# KiCad board Mynd_Main.kicad_pcb (continued)
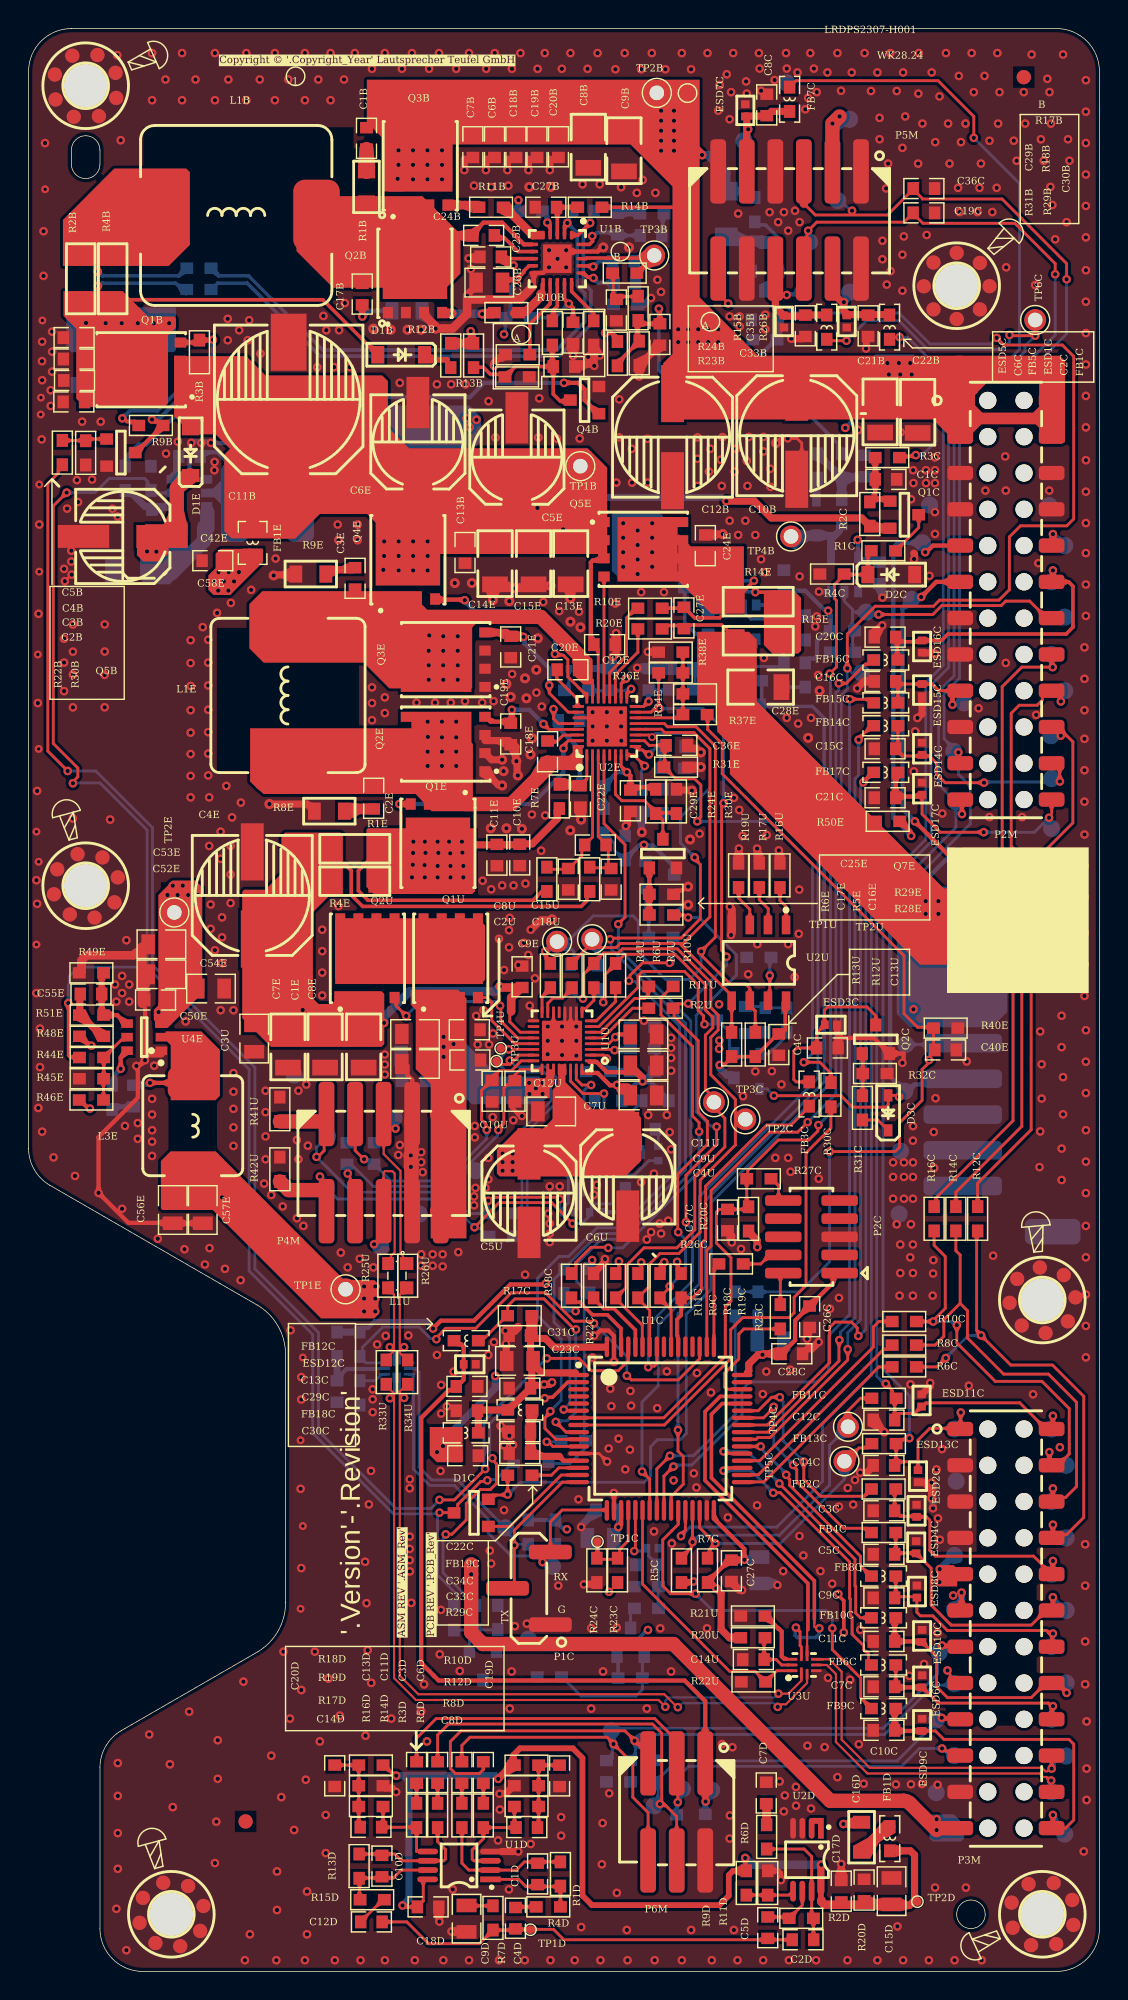
[diagram p0: board, top side]
## Placement (name value [footprint] x y rotation side) (continued)
TP4B  -  [TP_T_60_40]  53.4 100.45 0 top
TP4C  -  [TP_T_60_40]  57.39 38.13 90 top
TP4M  TP12  [TP120]  61.37 61.62 90 bottom
TP4U  TP06  [TP060]  33.07 64.62 90 top
TP5C  -  [TP_T_60_40]  57.14 35.72 90 top
TP5M  TP12  [TP120]  61.07 57.42 0 bottom
TP6C  -  [TP_T_60_40]  70.5 115.6 0 top
TP6M  TP12  [TP120]  60.97 53.02 0 bottom
TP7C  TP12  [TP120]  36.7 28.35 90 bottom
TP7M  TP12  [TP120]  64.85 37.97 90 bottom
TP8C  TP12  [TP120]  33.4 31.05 90 bottom
TP8M  TP12  [TP120]  71.65 37.97 90 bottom
TP9C  TP12  [TP120]  35 23.25 90 bottom
TP9M  TP12  [TP120]  64.97 34.32 90 bottom
TP10M  TP12  [TP120]  72.67 35.43 90 bottom
TP11M  TP12  [TP120]  71.65 32.89 90 bottom
TP12M  TP12  [TP120]  72.67 30.35 90 bottom
TP13M  TP12  [TP120]  59.5 112.5 90 bottom
TP14M  TP12  [TP120]  61.46 111.28 90 bottom
TP15M  TP12  [TP120]  64.85 29.12 90 bottom
TP16M  TP12  [TP120]  71.65 27.81 90 bottom
TP17M  TP12  [TP120]  64.85 25.32 90 bottom
TP18M  TP12  [TP120]  72.67 25.27 90 bottom
TP19M  TP12  [TP120]  63.11 102.64 90 bottom
TP20M  TP12  [TP120]  71.47 102.6 90 bottom
TP21M  TP12  [TP120]  63.77 22.32 90 bottom
TP22M  TP12  [TP120]  71.65 22.73 90 bottom
TP23M  TP12  [TP120]  64.85 20.14 90 bottom
TP24M  TP12  [TP120]  72.67 20.19 90 bottom
TP25M  TP12  [TP120]  62.6 100 90 bottom
TP26M  TP12  [TP120]  72.57 99.81 90 bottom
TP27M  TP12  [TP120]  63.57 17.6 90 bottom
TP28M  TP12  [TP120]  71.65 17.65 90 bottom
TP29M  TP12  [TP120]  61.84 96.04 90 bottom
TP30M  TP12  [TP120]  71.65 97.27 90 bottom
TP31M  TP12  [TP120]  64.85 15.11 90 bottom
TP32M  TP12  [TP120]  72.67 15.07 90 bottom
TP33M  TP12  [TP120]  72.57 94.8 90 bottom
TP34M  TP12  [TP120]  58.66 95.15 90 bottom
TP35M  TP12  [TP120]  63.57 12.52 90 bottom
TP36M  TP12  [TP120]  71.65 12.57 90 bottom
TP37M  TP12  [TP120]  71.65 92.19 90 bottom
TP38M  TP12  [TP120]  64.95 9.88 90 bottom
TP39M  TP12  [TP120]  72.57 9.62 90 bottom
TP40M  TP12  [TP120]  65.52 88.8 90 bottom
TP41M  TP12  [TP120]  72.57 89.65 90 bottom
TP42M  TP12  [TP120]  71.59 86.5 90 bottom
TP43M  TP12  [TP120]  64.8 85.4 90 bottom
TP44M  TP12  [TP120]  71.65 83.5 90 bottom
TP45M  TP12  [TP120]  64.95 81.88 90 bottom
TP46M  TP12  [TP120]  71.65 80 90 bottom
TP47M  TP12  [TP120]  57.5 129.65 90 bottom
TP48M  TP12  [TP120]  30.17 64.12 90 bottom
TP49M  TP12  [TP120]  30.77 61.82 90 bottom
TP50M  TP12  [TP120]  57.5 117.55 90 bottom
TP51M  TP12  [TP120]  18.6 62.75 90 bottom
TP52M  TP12  [TP120]  27.37 53.02 90 bottom
TP53M  TP12  [TP120]  56.67 123.96 90 bottom
TP54M  TP12  [TP120]  25.6 59.75 90 bottom
TP55M  TP12  [TP120]  24.67 50.72 90 bottom
TP56M  TP12  [TP120]  54.7 121.05 90 bottom
TP57M  TP12  [TP120]  28.9 55.95 90 bottom
TP58M  TP12  [TP120]  31.3 56.05 90 bottom
TP59M  TP12  [TP120]  53.1 132.2 90 bottom
TP60M  TP12  [TP120]  20.87 54.83 90 bottom
TP61M  TP12  [TP120]  54.2 117.55 90 bottom
TP62M  TP12  [TP120]  47.84 12.69 90 bottom
TP63M  TP12  [TP120]  50.1 128.15 90 bottom
TP64M  TP12  [TP120]  45.79 12.77 90 bottom
TP65M  TP12  [TP120]  43.82 11.59 90 bottom
TP66M  TP12  [TP120]  42.97 16.12 90 bottom
TP67M  TP12  [TP120]  40.82 16.84 90 bottom
TP68M  TP12  [TP120]  58.34 90.89 90 bottom
TP69M  TP12  [TP120]  20.93 58.45 90 bottom
U1B  LM51231QRGRRQ1  [QFN20_350X350X100_50_P200X200]  37.03 119.89 270 top
U1C  STM32F072RBT6  [LQFP64_1000X1000X160_50]  44.25 38 0 top
U1D  SGM358YMS  [VSSOP8]  30.15 7.42 180 top
U1E  INA181A1IDBVR  [SOT23_6_SC74]  50 94.45 90 bottom
U1U  PTPS25751SRSMR  [QFN32_400X400X80_40_P280X280_A]  37.36 65.14 180 top
U2B  SGM7SZ14YN5G/TR  [SOT23-5]  57.15 97.78 90 bottom
U2D  SGM358YMS  [VSSOP8]  54.52 7.82 270 top
U2E  BQ25713RSNR  [QFN32_400X400X80_40_P280X280_A]  40.5 87.15 90 top
U2U  FT24C512A-TSR-T  [SO-8]  51.15 70.6 270 top
U3E  TPS562201DDCR  [SOT23_6_SC74]  11.27 103.49 180 bottom
U3U  SGM7227YUWQ10G  [QFN10_180X140X60_40]  54.32 21.45 90 top
U4E  TPS54302DDCR  [SOT23_6_SC74]  8.1 65.4 180 top
U4U  SGM7227YUWQ10G  [QFN10_180X140X60_40#2]  25.8 42.2 270 bottom

## Footprints (pads in the part's own frame, mm; a bottom-side part is the same pattern mirrored in y, then rotated)
C0402
  rect 0.5x0.5 smd: 1(-0.5,0) 2(0.5,0)
C0603X80
  rect 0.8x0.9 smd: 1(-0.745,0) 2(0.755,0)
C0603X100
  rect 0.8x0.9 smd: 1(-0.745,0) 2(0.755,0)
C0603X105
  rect 0.8x0.9 smd: 1(-0.745,0) 2(0.755,0)
C0805_145
  rect 0.95x1.4 smd: 1(-0.925,0) 2(0.925,0)
C1206
  rect 1.1x1.8 smd: 1(-1.45,0) 2(1.45,0)
CET2012D
  rect 0.9x0.45 smd: 1(-0.85,0.425) 2(-0.85,-0.425) 3(0.85,-0.425) 4(0.85,0.425)
CON_250_SMD_H_8P
  rrect 1.8x3.9 smd: 0(-11.95,1.55) 0(11.95,1.55)
  rrect 1.3x5.5 smd: 1(-8.75,-4.75) 2(-6.25,-4.75) 3(-3.75,-4.75) 4(-1.25,-4.75) 5(1.25,-4.75) 6(3.75,-4.75) 7(6.25,-4.75) 8(8.75,-4.75)
DFN2_100X60X50_65
  rect 0.55x0.6 smd: 1(-0.425,0) 2(0.425,0)
DFN8_500X600X100_127_A
  rect 0.8x0.7 smd: 1(-2.75,1.905) 2(-2.75,0.635) 3(-2.75,-0.635) 4(-2.75,-1.905) 5(2.75,-1.905) 6(2.75,-0.635) 7(2.75,0.635) 8(2.75,1.905)
  rect 4.2x4.51 smd: 8(0.3,0)
DFN8_500X600X100_127_A#3
  rect 0.8x0.7 smd: 1(-2.75,1.905) 2(-2.75,0.635) 3(-2.75,-0.635) 4(-2.75,-1.905) 5(2.75,-1.905) 6(2.75,-0.635) 7(2.75,0.635) 8(2.75,1.905)
  rect 4x4.5 smd: 8(0.3,0)
DFN8_500X600X100_127_A#2
  rect 0.8x0.7 smd: 1(-2.75,1.905) 2(-2.75,0.635) 3(-2.75,-0.635) 4(-2.75,-1.905) 5(2.75,-1.905) 6(2.75,-0.635) 7(2.75,0.635) 8(2.75,1.905)
  rect 4.2x4.51 smd: 8(0.3,0)
E_CAP_SMD_10%2A10.2
  rect 4x2.5 smd: 1(-4,0) 2(4,0)
ECAP_SMD_630X540
  rect 3.6x1.6 smd: 1(-2.75,0) 2(2.75,0)
ECAP_SMD_800X1000
  rect 4x1.6 smd: 1(-3.05,0) 2(3.05,0)
Female_SMD_Bottom_2X12_254
  round 1.2 hole 1.2 unplated: (-13.97,1.27) (-13.97,-1.27) (-11.43,1.27) (-11.43,-1.27) (-8.89,1.27) (-8.89,-1.27) (-6.35,1.27) (-6.35,-1.27) (-3.81,1.27) (-3.81,-1.27) (-1.27,1.27) (-1.27,-1.27) (1.27,1.27) (1.27,-1.27) (3.81,1.27) (3.81,-1.27) (6.35,1.27) (6.35,-1.27) (8.89,1.27) (8.89,-1.27) (11.43,1.27) (11.43,-1.27) (13.97,1.27) (13.97,-1.27)
  rrect 1x1.8 smd: 1(-13.97,-3.2) 2(-13.97,3.2) 3(-11.43,-3.2) 4(-11.43,3.2) 5(-8.89,-3.2) 6(-8.89,3.2) 7(-6.35,-3.2) 8(-6.35,3.2) 9(-3.81,-3.2) 10(-3.81,3.2) 11(-1.27,-3.2) 12(-1.27,3.2) 13(1.27,-3.2) 14(1.27,3.2) 15(3.81,-3.2) 16(3.81,3.2) 17(6.35,-3.2) 18(6.35,3.2) 19(8.89,-3.2) 20(8.89,3.2) 21(11.43,-3.2) 22(11.43,3.2) 23(13.97,-3.2) 24(13.97,3.2)
Female_SMD_Bottom_2X12_254#2
  round 1.2 hole 1.2 unplated: (-13.97,1.27) (-13.97,-1.27) (-11.43,1.27) (-11.43,-1.27) (-8.89,1.27) (-8.89,-1.27) (-6.35,1.27) (-6.35,-1.27) (-3.81,1.27) (-3.81,-1.27) (-1.27,1.27) (-1.27,-1.27) (1.27,1.27) (1.27,-1.27) (3.81,1.27) (3.81,-1.27) (6.35,1.27) (6.35,-1.27) (8.89,1.27) (8.89,-1.27) (11.43,1.27) (11.43,-1.27) (13.97,1.27) (13.97,-1.27)
  rrect 1x1.8 smd: 1(-13.97,-3.2) 2(-13.97,3.2) 3(-11.43,-3.2) 4(-11.43,3.2) 5(-8.89,-3.2) 6(-8.89,3.2) 7(-6.35,-3.2) 8(-6.35,3.2) 9(-3.81,-3.2) 10(-3.81,3.2) 11(-1.27,-3.2) 12(-1.27,3.2) 13(1.27,-3.2) 14(1.27,3.2) 15(3.81,-3.2) 16(3.81,3.2) 17(6.35,-3.2) 18(6.35,3.2) 19(8.89,-3.2) 20(8.89,3.2) 21(11.43,-3.2) 22(11.43,3.2) 23(13.97,-3.2) 24(13.97,3.2)
IND_SMD_SQU_L60XW60XH20
  rrect 1.9x5.5 smd: 1(-2.3,0) 2(2.3,0)
IND_SMD_YT_SQU_L78XW70XH30
  rrect 2.2x3.5 smd: 1(-3,0) 2(3,0)
IND_SMD_YT_SQU_L118XW108XH40_A
  rrect 4.3x5 smd: 1(-4.65,0) 2(4.65,0)
IND_SMD_YT_SQU_L135XW126XH57
  rrect 3.25x5 smd: 1(-5.625,0) 2(5.625,0)
L0603
  rect 0.9x0.8 smd: 1(-0.85,0) 2(0.85,0)
L0805
  rect 0.8x1.4 smd: 1(-0.8,0) 2(0.8,0)
LQFP64_1000X1000X160_50
  oval 1.45x0.3 smd: 1(-5.725,3.75) 2(-5.725,3.25) 3(-5.725,2.75) 4(-5.725,2.25) 5(-5.725,1.75) 6(-5.725,1.25) 7(-5.725,0.75) 8(-5.725,0.25) 9(-5.725,-0.25) 10(-5.725,-0.75) 11(-5.725,-1.25) 12(-5.725,-1.75) 13(-5.725,-2.25) 14(-5.725,-2.75) 15(-5.725,-3.25) 16(-5.725,-3.75) 33(5.725,-3.75) 34(5.725,-3.25) 35(5.725,-2.75) 36(5.725,-2.25) 37(5.725,-1.75) 38(5.725,-1.25) 39(5.725,-0.75) 40(5.725,-0.25) 41(5.725,0.25) 42(5.725,0.75) 43(5.725,1.25) 44(5.725,1.75) 45(5.725,2.25) 46(5.725,2.75) 47(5.725,3.25) 48(5.725,3.75)
  oval 0.3x1.45 smd: 17(-3.75,-5.725) 18(-3.25,-5.725) 19(-2.75,-5.725) 20(-2.25,-5.725) 21(-1.75,-5.725) 22(-1.25,-5.725) 23(-0.75,-5.725) 24(-0.25,-5.725) 25(0.25,-5.725) 26(0.75,-5.725) 27(1.25,-5.725) 28(1.75,-5.725) 29(2.25,-5.725) 30(2.75,-5.725) 31(3.25,-5.725) 32(3.75,-5.725) 49(3.75,5.725) 50(3.25,5.725) 51(2.75,5.725) 52(2.25,5.725) 53(1.75,5.725) 54(1.25,5.725) 55(0.75,5.725) 56(0.25,5.725) 57(-0.25,5.725) 58(-0.75,5.725) 59(-1.25,5.725) 60(-1.75,5.725) 61(-2.25,5.725) 62(-2.75,5.725) 63(-3.25,5.725) 64(-3.75,5.725)
MARK
  round 1 smd: MKT(0,0)
  round 1 smd far side: MK_B(0,0)
Pin_Header_2x5_127
  rrect 2.55x0.74 smd: 1(-1.975,2.54) 2(1.975,2.54) 3(-1.975,1.27) 4(1.975,1.27) 5(-1.975,0) 6(1.975,0) 7(-1.975,-1.27) 8(1.975,-1.27) 9(-1.975,-2.54) 10(1.975,-2.54)
Pin_Header_SMD_S_T_254_3P
  rrect 1.02x3 smd: 1(-2.54,-1.5) 2(0,1.5) 3(2.54,-1.5)
QFN10_180X140X60_40
  rrect 0.85x0.2 smd: 1(-0.6,0.2)
  rrect 0.75x0.2 smd: 2(-0.65,-0.2) 6(0.65,-0.2) 7(0.65,0.2)
  rrect 0.2x0.75 smd: 3(-0.4,-0.85) 4(0,-0.85) 5(0.4,-0.85) 8(0.4,0.85) 9(0,0.85) 10(-0.4,0.85)
QFN10_180X140X60_40#2
  rrect 0.85x0.2 smd: 1(-0.6,0.2)
  rrect 0.75x0.2 smd: 2(-0.65,-0.2) 6(0.65,-0.2) 7(0.65,0.2)
  rrect 0.2x0.75 smd: 3(-0.4,-0.85) 4(0,-0.85) 5(0.4,-0.85) 8(0.4,0.85) 9(0,0.85) 10(-0.4,0.85)
QFN20_350X350X100_50_P200X200
  rect 2x2 smd: 0(0,0)
  rrect 0.6x0.24 smd: 1(-1.65,1) 2(-1.65,0.5) 3(-1.65,0) 4(-1.65,-0.5) 5(-1.65,-1) 11(1.65,-1) 12(1.65,-0.5) 13(1.65,0) 14(1.65,0.5) 15(1.65,1)
  rrect 0.24x0.6 smd: 6(-1,-1.65) 7(-0.5,-1.65) 8(0,-1.65) 9(0.5,-1.65) 10(1,-1.65) 16(1,1.65) 17(0.5,1.65) 18(0,1.65) 19(-0.5,1.65) 20(-1,1.65)
QFN32_400X400X80_40_P280X280_A
  rect 2.8x2.8 smd: 0(0,0)
  rrect 0.8x0.2 smd: 1(-2,1.4) 2(-2,1) 3(-2,0.6) 4(-2,0.2) 5(-2,-0.2) 6(-2,-0.6) 7(-2,-1) 8(-2,-1.4) 17(2,-1.4) 18(2,-1) 19(2,-0.6) 20(2,-0.2) 21(2,0.2) 22(2,0.6) 23(2,1) 24(2,1.4)
  rrect 0.2x0.8 smd: 9(-1.4,-2) 10(-1,-2) 11(-0.6,-2) 12(-0.2,-2) 13(0.2,-2) 14(0.6,-2) 15(1,-2) 16(1.4,-2) 25(1.4,2) 26(1,2) 27(0.6,2) 28(0.2,2) 29(-0.2,2) 30(-0.6,2) 31(-1,2) 32(-1.4,2)
R0402
  rect 0.5x0.6 smd: 1(-0.5,0) 2(0.5,0)
R0603
  rect 0.9x0.8 smd: 1(-0.85,0) 2(0.85,0)
R0603#2
  rect 0.9x0.8 smd: 1(-0.85,0) 2(0.85,0)
R0603#3
  rect 0.9x0.8 smd: 1(-0.85,0) 2(0.85,0)
R0805
  rect 0.9x1.2 smd: 1(-1.05,0) 2(1.05,0)
R1206
  rect 1.3x1.6 smd: 1(-1.6,0) 2(1.6,0)
SCREW_D30
  round 1 smd: 1(-2.297,-0.042) 1(-1.626,1.626) 1(-1.624,-1.657) 1(0,2.3) 1(0.003,-2.331) 1(1.629,1.596) 1(1.629,-1.657) 1(2.303,-0.031)
  round 1 smd far side: 1(-2.297,-0.042) 1(-1.626,1.626) 1(-1.624,-1.657) 1(0,2.3) 1(0.003,-2.331) 1(1.629,1.596) 1(1.629,-1.657) 1(2.303,-0.031)
  round 3 hole 3.2: 1(0,0)
SO-8
  rect 1.3x0.6 smd: 1(-2.65,1.905) 2(-2.65,0.635) 3(-2.65,-0.635) 4(-2.65,-1.905) 5(2.65,-1.905) 6(2.65,-0.635) 7(2.65,0.635) 8(2.65,1.905)
SOD-123
  rect 0.91x1.22 smd: A(1.635,0) K(-1.635,0)
SOD-323
  rect 0.85x0.6 smd: A(1.225,0) K(-1.225,0)
SOT23-5
  rect 0.8x0.55 smd: 1(-1.2,0.95) 2(-1.2,0) 3(-1.2,-0.95) 4(1.2,-0.95) 5(1.2,0.95)
SOT23-123
  rect 0.8x0.9 smd: 1(-0.95,-1) 2(0.95,-1) 3(0,1.4)
SOT23-GSD
  rect 0.8x0.9 smd: D(0,1) G(-0.95,-1) S(0.95,-1)
SOT23-GSD#2
  rect 0.8x0.9 smd: D(0,1) G(-0.95,-1) S(0.95,-1)
SOT23_6_SC74
  rect 0.8x0.6 smd: 1(-1.2,0.95) 2(-1.2,0) 3(-1.2,-0.95) 4(1.2,-0.95) 5(1.2,0) 6(1.2,0.95)
SOT23_16_GSD
  rect 0.8x1 smd: D(0,1.3) G(-0.95,-1.3) S(0.95,-1.3)
TP060
  round 0.6 smd: 1(0,0)
TP120
  round 1.2 smd: 1(0,0)
TP_T_60_40
  round 1.524 hole 1.016: 1(0,0)
VSSOP8
  rect 1.45x0.4 smd: 1(-2.2,0.975)
  oval 1.45x0.4 smd: 2(-2.2,0.325) 3(-2.2,-0.325) 4(-2.2,-0.975) 5(2.2,-0.975) 6(2.2,-0.325) 7(2.2,0.325) 8(2.2,0.975)
WB200AL_2x3P
  rrect 1.1x4.5 smd: 1(-2,-3.4) 2(-2,3.4) 3(0,-3.4) 4(0,3.4) 5(2,-3.4) 6(2,3.4)
WB200AL_2x5P
  rrect 1.1x4.5 smd: 1(-4,-3.4) 2(-4,3.4) 3(-2,-3.4) 4(-2,3.4) 5(0,-3.4) 6(0,3.4) 7(2,-3.4) 8(2,3.4) 9(4,-3.4) 10(4,3.4)
WB200AL_2x6P
  rrect 1.1x4.5 smd: 1(-5,-3.4) 2(-5,3.4) 3(-3,-3.4) 4(-3,3.4) 5(-1,-3.4) 6(-1,3.4) 7(1,-3.4) 8(1,3.4) 9(3,-3.4) 10(3,3.4) 11(5,-3.4) 12(5,3.4)

## Nets
3V3_ADet: C15D.2 C16D.1 C17D.1 C18D.1 FB1D.2 R9D.1 R10D.1 R18D.1 TP2D.1 U1D.8 U2D.8
3V3_MCU: C22C.1 C23C.1 C24C.1 C25C.1 C26C.1 C27C.1 C28C.1 C29C.1 C31C.1 C32C.1 C35C.2 FB18C.2 FB19C.2 P2C.1 R5C.1 R7C.1 R9C.1 R11C.1 R15C.1 R17C.1 R18C.1 R19C.1 R20C.2 R20U.1 R23C.1 R33C.1 R34C.1 R35E.2 U1C.1 U1C.19 U1C.32 U1C.48 U1C.64
3V3_STB: C4U.2 C26E.2 C30C.1 C34B.2 C45E.1 C46E.1 FB18C.1 L2E.2 P2M.10 P3M.11 P5M.3 R8B.1 R12E.2 R20D.2 R35B.1 R41E.2 TP17M.1 TP26M.1 TP47M.1 U1E.6 U1U.32 U2B.5
5V_CCPD: C5U.1 C6U.1 C7U.2 C56E.1 C57E.1 L3E.2 P3M.23 R48E.1 TP1E.1 TP38M.1 U1U.28 U1U.29
24V: C1B.1 C6B.2 C7B.2 C8B.2 C9B.2 C10B.1 C12B.1 C18B.2 C19B.2 C20B.2 C21B.2 C22B.2 P2M.1 P2M.2 P2M.3 P2M.4 Q3B.5 Q3B.6 Q3B.7 Q3B.8 R14B.1 R32B.2 R34B.2 TP2B.1 TP13M.1 TP14M.1
GND: C1C.2 C1E.2 C2B.1 C2C.2 C2U.2 C3B.1 C3C.2 C3U.2 C4B.2 C4C.2 C4E.2 C4U.1 C5B.2 C5C.2 C5E.2 C5U.2 C6B.1 C6C.2 C6E.2 C6U.2 C7B.1 C7C.2 C7D.2 C7E.1 C7U.1 C8B.1 C8C.2 C8E.1 C8U.2 C9B.1 C9C.2 C9D.2 C9E.2 C9U.1 C10B.2 C10C.2 C10E.1 C10U.2 C11B.2 C11C.2 C11E.2 C11U.1 C12B.2 C12C.2 C12E.1 C12U.2 C13B.1 C13C.2 C13E.1 C13U.2 C14B.1 C14C.2 C14E.1 C14U.2 C15B.1 C15C.2 C15D.1 C15E.1 C15U.2 C16B.1 C16C.2 C16D.2 C16E.1 C16U.2 C17C.2 C17D.2 C17E.1 C17U.2 C18B.1 C18C.2 C18D.2 C18U.2 C19B.1 C19C.2 C19D.2 C19E.1 C19U.2 C20B.1 C20C.2 C20D.2 C21B.1 C21C.2 C21D.2 C21E.2 C22B.1 C22C.2 C22D.2 C22E.1 C23C.2 C23D.2 C23E.2 C24C.2 C24D.2 C24E.2 C25B.2 C25C.2 C26B.2 C26C.2 C26E.1 C27B.2 C27C.2 C28B.2 C28C.2 C28E.2 C29B.2 C29C.2 C29E.2 C30B.2 C30C.2 C30E.2 C31C.2 C31E.1 C32B.2 C32C.2 C32E.1 C33B.2 C33C.2 C33E.1 C34B.1 C34C.2 C34E.1 C35B.2 C35C.1 C35E.1 C36B.2 C36C.2 C36E.2 C37B.1 C37C.2 C37E.2 C38E.2 C39E.2 C40E.1 C42E.2 C43E.2 C44E.2 C45E.2 C46E.2 C50E.2 C52E.2 C53E.2 C54E.2 C56E.2 C57E.2 C58E.2 D2C.A ESD1C.2 ESD2C.1 ESD3C.1 ESD4C.1 ESD5C.1 ESD6C.1 ESD7C.1 ESD8C.1 ESD9C.1 ESD10C.1 ESD11C.1 ESD12C.1 ESD13C.1 ESD14C.1 ESD15C.1 ESD16C.1 ESD17C.1 ESD18C.1 MH1M.1 MH2M.1 MH3M.1 MH4M.1 MH5M.1 MH6M.1 P1C.1 P1M.0 P1M.1 P1M.2 P1M.3 P2C.5 P2M.5 P2M.6 P2M.7 P2M.8 P2M.13 P2M.15 P2M.19 P3M.3 P3M.5 P3M.7 P3M.21 P4M.3 P4M.4 P5M.1 P5M.2 P5M.7 P5M.10 P5M.11 P6M.2 Q2B.1 Q2B.2 Q2B.3 Q2C.S Q2E.1 Q2E.2 Q2E.3 Q3E.1 Q3E.2 Q3E.3 Q3U.S Q4B.S Q4C.S Q5B.S Q6B.S Q6E.S Q6U.S Q7B.S Q7E.S Q7U.S R1U.1 R3U.2 R4C.1 R7B.1 R8E.2 R9E.2 R11D.1 R12D.2 R14U.2 R15U.2 R16B.2 R16E.2 R16U.2 R17U.2 R18U.1 R19D.1 R19U.2 R21U.1 R22C.1 R22U.1 R23B.2 R23E.1 R24B.2 R24C.1 R25E.1 R26B.2 R27B.2 R28B.2 R29B.2 R29E.1 R30B.2 R30E.2 R30U.1 R31E.1 R32C.2 R32E.1 R33E.1 R36B.2 R38C.1 R38E.2 R40E.1 R41C.2 R41U.1 R42E.2 R42U.1 R43E.2 R45E.1 R49E.2 TP5M.1 TP6M.1 TP9C.1 TP9M.1 TP19M.1 TP20M.1 TP33M.1 TP35M.1 TP51M.1 TP52M.1 TP59M.1 U1B.0 U1B.10 U1B.19 U1C.12 U1C.18 U1C.31 U1C.47 U1C.63 U1D.4 U1E.2 U1U.0 U1U.10 U1U.11 U1U.12 U1U.14 U1U.17 U2B.3 U2D.3 U2D.4 U2E.0 U2E.27 U2U.4 U3E.1 U3U.3 U4E.1 U4U.3
VbatADC: C37C.1 ESD18C.2 R21C.1 R38C.2 U1C.21
VBUS: C1E.1 C3U.1 C4E.1 C7E.2 C8E.2 C9E.1 Q2U.1 Q2U.2 Q2U.3 R1E.1 R2E.1 R3E.1 R4E.1 R5E.1 U1U.19
VBUS_2: C10E.2 C11E.1 Q1E.5 Q1E.6 Q1E.7 Q1E.8 R1E.2 R4E.2 R6E.1 R7E.1
VBUS_C: C1U.1 C2U.1 C8U.1 C15U.1 C18U.1 P4M.1 P4M.2 Q1U.1 Q1U.2 Q1U.3 TP48M.1 TP49M.1 U1U.26 U1U.27
VDDA: C29E.1 R17E.2 R19E.2 R24E.1 U2E.7
\ACOK: D4C.A R13C.2 R35C.1 U2E.4
\Amp_PDN_1: FB17C.1 U1C.39
\Amp_SwFlt_1: FB16C.1 U1C.50
\Amp_TwFlt_1: FB14C.1 U1C.40
\BT_RST: C11C.1 ESD10C.2 FB10C.2 P3M.16 TP24M.1
\BTRST: FB10C.1 U1C.37
\P_Btn: C2C.1 ESD1C.1 FB1C.2 P5M.4 TP50M.1
\P_Btn_1: FB1C.1 R3C.2
\PD_INT: R2U.1 R18C.2 R36E.2 U1C.55 U2E.15
\Plug_Det: C13C.1 C18C.1 ESD12C.2 FB12C.2 P6M.1 TP62M.1
\Plug_Det_1: FB12C.1 R17C.2 U1C.9
\PRHOT: R15C.2 U1C.6 U2E.11
\UI_Int: C6C.1 ESD5C.2 FB5C.2 P5M.8 TP61M.1
\UI_Int_1: FB5C.1 TP6C.1 U1C.28
\UI_Rst: C8C.1 ESD7C.2 FB7C.2 P5M.9 TP63M.1
\UI_Rst_1: FB7C.1 U1C.41
Amp_BCLK: P2M.18 R14C.2 TP41M.1
Amp_DATA: P2M.16 R16C.2 TP37M.1
Amp_LRCK: P2M.20 R12C.2 TP42M.1
Amp_Ver: C16C.1 ESD15C.2 FB15C.2 P2M.17 TP40M.1
Amp_Ver1: FB15C.1 U1C.25
BatVCC: P2M.9 R50E.2 TP25M.1
BT_BCLK: P3M.6 R8C.2 R14C.1 TP11M.1
BT_Ctrl_Pwr: C9C.1 ESD8C.2 FB8C.2 P3M.14 TP22M.1
BT_Ctrl_Vreg: C7C.1 ESD6C.2 FB6C.2 P3M.18 TP28M.1
BT_CtrlPwr: FB8C.1 U1C.38
BT_CtrlVreg: FB6C.1 U1C.35
BT_DATA: P3M.4 R10C.2 R16C.1 TP10M.1
BT_LRCK: P3M.8 R6C.2 R12C.1 TP12M.1
BT_Ver: C10C.1 ESD9C.2 FB9C.2 P3M.24 TP39M.1
BT_Ver1: FB9C.1 U1C.27
BVcc: C26B.1 R20B.1 R25B.1 R31B.1 U1B.9
C_Open: D1U.A D3C.A P1M.4 P2M.11 TP4M.1 TP29M.1
COpen: FB3C.1 R19C.2 U1C.54
COpen2: Q3U.D R27U.1 U1U.7
Ena_3V3_STB: D1C.3 D4C.K R40C.1 R42E.1 R44E.1 U3E.5
Ena_BatADC: R39C.1 U1C.2
Env_Track: P2M.14 R8B.2 R27B.1 TP34M.1 U2B.2
Hold_ON: D1C.1 U1C.15
HW_REV: R23C.2 R24C.2 TP1C.1 U1C.20
I2C1_SCL: R7U.1 R9C.2 R23U.1 TP2C.1 U1C.58
I2C1_SDA: R10U.1 R11C.2 R24U.1 TP3C.1 U1C.59
intBat: C27E.2 C28E.1 P1M.6 P1M.7 P1M.8 Q3C.S R15E.1 R20E.1 R34E.1 R36C.2 R50E.1 TP1M.1 TP2M.1
LDO_1V5: C11U.2 U1U.4
LDO_3V3: C9U.2 C13U.1 Q4U.S Q5U.S R5U.1 R9U.1 R12U.2 R13C.1 R13U.2 R27U.2 R28U.1 R29U.1 U1U.1 U2U.8
Line_L_N: C6D.2 C22D.1 P3M.15 P6M.5 TP23M.1 TP66M.1
Line_L_P: C3D.2 C21D.1 P3M.13 P6M.6 TP21M.1 TP67M.1
Line_R_N: C13D.2 C24D.1 P3M.19 P6M.3 TP31M.1 TP64M.1
Line_R_P: C11D.2 C23D.1 P3M.17 P6M.4 TP27M.1 TP65M.1
M_DET: R11U.2 R28C.2
MCU_RST: C17C.1 P5M.12 R20C.1 R27C.1 TP68M.1 U1C.7
MCU_RX: C3C.1 ESD2C.2 FB2C.2 P3M.10 TP16M.1
MCU_TX: C5C.1 ESD4C.2 FB4C.2 P3M.12 TP18M.1
MCU_WkUp: D1C.2 D2C.K R1C.1 R4C.2 R29C.2
NetC1B_2: C1B.2 R1B.2
NetC1C_1: C1C.1 Q1C.G R2C.1 R3C.1
NetC1D_1: C1D.1 R1D.2 R4D.2 U1D.1
NetC1D_2: C1D.2 R1D.1 R3D.2 U1D.2
NetC1U_2: C1U.2 R1U.2
NetC2B_2: C2B.2 C3B.2 C4B.1 C5B.1 C14B.2 C15B.2 C16B.2 D1B.A Q1B.5 Q1B.6 Q1B.7 Q1B.8 R2B.1 R4B.1 R5B.1
NetC2D_1: C2D.1 R2D.2 R6D.1 U2D.7
NetC2D_2: C2D.2 C4D.1 C5D.2 C12D.1 R7D.1 TP1D.1
NetC2E_1: C2E.1 R8E.1
NetC2E_2: C2E.2 C18E.1 L1E.1 Q1E.1 Q1E.2 Q1E.3 Q2E.5 Q2E.6 Q2E.7 Q2E.8 U2E.32
NetC3D_1: C3D.1 R3D.1
NetC3E_1: C3E.1 R9E.1
NetC3E_2: C3E.2 C20E.2 L1E.2 Q3E.5 Q3E.6 Q3E.7 Q3E.8 Q4E.1 Q4E.2 Q4E.3 U2E.23
NetC4C_1: C4C.1 ESD3C.2 FB3C.2 Q2C.D
NetC4D_2: C4D.2 R4D.1
NetC5D_1: C5D.1 R2D.1 U2D.6
NetC6D_1: C6D.1 R5D.1
NetC7D_1: C7D.1 R6D.2
NetC8D_1: C8D.1 C19D.1 R8D.1 R10D.2 R12D.1
NetC8D_2: C8D.2 R5D.2 R8D.2 U1D.3
NetC9D_1: C9D.1 R7D.2
NetC10D_1: C10D.1 R13D.2 R15D.2 U1D.7
NetC10D_2: C10D.2 R13D.1 R14D.2 U1D.6
NetC11D_1: C11D.1 R14D.1
NetC12D_2: C12D.2 R15D.1
NetC13D_1: C13D.1 R16D.1
NetC14D_1: C14D.1 C20D.1 R17D.1 R18D.2 R19D.2
NetC14D_2: C14D.2 R16D.2 R17D.2 U1D.5
NetC14U_1: C14U.1 R20U.2 U3U.9
NetC16E_2: C16E.2 C25E.1 R5E.2 U2E.3
NetC17B_1: C17B.1 C24B.1 L1B.2 Q2B.5 Q2B.6 Q2B.7 Q2B.8 Q3B.1 Q3B.2 Q3B.3 R1B.1 U1B.6
NetC17B_2: C17B.2 R7B.2
NetC17E_2: C17E.2 C25E.2 R6E.2 U2E.2
NetC18E_2: C18E.2 U2E.30
NetC19E_2: C19E.2 Q2E.4 U2E.29
NetC19U_1: C19U.1 R28U.2 U4U.9
NetC20E_1: C20E.1 U2E.25
NetC21E_1: C21E.1 Q3E.4 U2E.26
NetC22E_2: C22E.2 R7E.2 U2E.1
NetC23B_1: C23B.1 R5B.2 U1B.1
NetC23B_2: C23B.2 R6B.2 U1B.2
NetC23E_1: C23E.1 R2E.2 R3E.2
NetC24B_2: C24B.2 U1B.7
NetC24E_1: C24E.1 C27E.1 Q5E.5 Q5E.6 Q5E.7 Q5E.8 R10E.2 R11E.1 R14E.2
NetC25B_1: C25B.1 R12B.1 R13B.1 U1B.8
NetC27B_1: C27B.1 R14B.2 U1B.3
NetC28B_1: C28B.1 R16B.1 U1B.16
NetC29B_1: C29B.1 R17B.1 R18B.2
NetC30B_1: C30B.1 R18B.1 R19B.2 R29B.1 R31B.2
NetC30E_1: C30E.1 R19E.1 U2E.28
NetC31B_1: C31B.1 R28B.1
NetC31B_2: C31B.2 C32B.1 U1B.20
NetC31E_2: C31E.2 R13E.1 U1C.26
NetC32E_2: C32E.2 R22E.1 R25E.2 U1C.23 U1E.5
NetC33B_1: C33B.1 Q4B.D R13B.2 R15B.1 R23B.1
NetC33C_1: C33C.1 C34C.1 FB19C.1 U1C.13
NetC33E_2: C33E.2 R26E.2 U2E.16
NetC34E_2: C34E.2 R27E.1 U2E.17
NetC35B_1: C35B.1 R25B.2 U1B.14
NetC35E_2: C35E.2 R26E.1
NetC36B_1: C36B.1 U1B.17
NetC36E_1: C36E.1 R30C.1 R31E.2 U2E.10
NetC37B_2: C37B.2 R19B.1 R37B.1 R38B.1
NetC37E_1: C37E.1 R32E.2 U2E.8
NetC38E_1: C38E.1 R33E.2 U2E.9
NetC39E_1: C39E.1 R27E.2
NetC40E_2: C40E.2 P1M.5 R35E.1 R37E.1 R39E.1 R40E.2 TP3M.1
NetC41E_1: C41E.1 U3E.6
NetC41E_2: C41E.2 L2E.1 U3E.2
NetC42E_1: C42E.1 C43E.1 C44E.1 D1E.K U3E.3
NetC49E_1: C49E.1 R11E.2 U1E.4
NetC49E_2: C49E.2 R21E.1 U1E.3
NetC51E_1: C51E.1 L3E.1 U4E.2
NetC51E_2: C51E.2 R47E.1
NetC55E_1: C55E.1 R48E.2 R51E.1
NetC55E_2: C55E.2 R49E.1 R51E.2 U4E.4
NetD1B_K: D1B.K R12B.2
NetD1U_K: D1U.K R8U.1
NetD2B_A: D2B.A R38B.2 TP4B.1 U2B.4
NetD2B_K: D2B.K R37B.2
NetD3C_K: D3C.K R31C.1
NetFB1D_1: FB1D.1 R20D.1
NetL1B_1: L1B.1 R2B.2 R4B.2 R6B.1
NetP2C_2: P2C.2 R25C.2
NetP2C_4: P2C.4 R26C.2
NetP2C_10: P2C.10 R27C.2
NetQ1B_4: Q1B.4 R3B.2 R9B.1
NetQ1C_D: Q1C.D R1C.2
NetQ1E_4: Q1E.4 U2E.31
NetQ1U_4: Q1U.4 U1U.21
NetQ1U_5: Q1U.5 Q1U.6 Q1U.7 Q1U.8 Q2U.5 Q2U.6 Q2U.7 Q2U.8
NetQ2B_4: Q2B.4 R10B.2
NetQ2C_G: Q2C.G R31C.2 R32C.1
NetQ2U_4: Q2U.4 U1U.20
NetQ3B_4: Q3B.4 R11B.2
NetQ3C_D: Q3C.D R21C.2
NetQ3C_G: Q3C.G R36C.1 R37C.2
NetQ3U_G: Q3U.G R8U.2 R15U.1
NetQ4B_G: Q4B.G Q5B.D R9B.2
NetQ4C_D: Q4C.D R37C.1
NetQ4C_G: Q4C.G R39C.2 R40C.2 R41C.1
NetQ4E_4: Q4E.4 U2E.24
NetQ4U_D: Q4U.D R36U.1
NetQ5B_G: Q5B.G R22B.2 R30B.1
NetQ5E_4: Q5E.4 U2E.21
NetQ5U_D: Q5U.D R35U.1
NetQ6B_D: Q6B.D R32B.1
NetQ6B_G: Q6B.G Q7B.D R34B.1
NetQ6E_D: Q6E.D R16E.1 R17E.1 U2E.18
NetQ6E_G: Q6E.G R18E.2 R23E.2
NetQ6U_D: Q6U.D R40U.2
NetQ7B_G: Q7B.G R35B.2 R36B.1
NetQ7E_D: Q7E.D R24E.2 R30E.1 U2E.6
NetQ7E_G: Q7E.G R28E.2 R29E.2
NetQ7U_D: Q7U.D R39U.2
NetR2U_2: R2U.2 U1U.5
NetR3U_1: R3U.1 R5U.2 U1U.2
NetR4U_2: R4U.2 U1U.16
NetR6C_1: R6C.1 U1C.33
NetR6U_2: R6U.2 U1U.15
NetR7U_2: R7U.2 U1U.9
NetR8C_1: R8C.1 U1C.34
NetR9D_2: R9D.2 R11D.2 U2D.5
NetR9U_2: R9U.2 R14U.1 U1U.3
NetR10B_1: R10B.1 U1B.11
NetR10C_1: R10C.1 U1C.36
NetR10E_1: R10E.1 U2E.20
NetR10U_2: R10U.2 U1U.8
NetR11B_1: R11B.1 U1B.5
NetR11U_1: R11U.1 U1U.6
NetR12E_1: R12E.1 R22E.2
NetR13E_2: R13E.2 U1E.1
NetR14E_1: R14E.1 R15E.2 R21E.2
NetR15B_2: R15B.2 U1B.13
NetR16U_1: R16U.1 U2U.1
NetR17B_2: R17B.2 TP3B.1 U1B.18
NetR17U_1: R17U.1 U2U.2
NetR18E_1: R18E.1 U1C.10
NetR18U_2: R18U.2 U2U.7
NetR19U_1: R19U.1 U2U.3
NetR20B_2: R20B.2 U1B.4
NetR20E_2: R20E.2 U2E.19
NetR21U_2: R21U.2 U3U.8
NetR22C_2: R22C.2 U1C.60
NetR22U_2: R22U.2 U1C.22 U3U.10
NetR24B_1: R24B.1 U1B.12
NetR26B_1: R26B.1 U1B.15
NetR28C_1: R28C.1 U1C.62
NetR28E_1: R28E.1 U1C.57
NetR29C_1: R29C.1 U1C.14
NetR29U_2: R29U.2 U1C.51 U4U.10
NetR30C_2: R30C.2 U1C.8
NetR30U_2: R30U.2 U4U.8
NetR34E_2: R34E.2 R36E.1 R37E.2 R38E.1 U2E.14
NetR35C_2: R35C.2 U1C.11
NetR39E_2: R39E.2 U1C.24
NetR41E_1: R41E.1 R43E.1 U3E.4
NetR44E_2: R44E.2 R45E.2 R46E.2 U4E.5
NetR47E_2: R47E.2 U4E.6
NetU2D_1: U2D.1 U2D.2
PD_IO_6: Q6U.G Q7U.G U1U.31
PD_IO_7: Q4U.G Q5U.G U1U.30
PD_SCL: R4U.1 R12U.1 R23U.2 TP1U.1 U2E.13 U2U.6
PD_SDA: R6U.1 R13U.1 R24U.2 TP2U.1 U2E.12 U2U.5
SCL: C12C.1 C19C.1 ESD11C.2 FB11C.2 P2M.23 P3M.2 P5M.6 TP8M.1 TP45M.1 TP56M.1
SCL_2: FB11C.1 R5C.2 TP4C.1 U1C.29
SDA: C14C.1 C36C.1 ESD13C.2 FB13C.2 P2M.21 P3M.1 P5M.5 TP7M.1 TP43M.1 TP53M.1
SDA_2: FB13C.1 R7C.2 TP5C.1 U1C.30
StepUp_Ena: R22B.1 U1C.61
SWCLK: R26C.1 U1C.49
SWDIO: R25C.1 U1C.46
UART1_RX: FB2C.1 U1C.43
UART1_TX: FB4C.1 U1C.42
UART2_RX: P1C.3 R34C.2 TP7C.1 U1C.17 U4U.5
UART2_TX: P1C.2 R33C.2 TP8C.1 U1C.16 U4U.4
USB-CC1: C10U.1 C16U.1 P4M.7 TP57M.1 U1U.24
USB-CC2: C12U.1 C17U.1 P4M.8 TP58M.1 U1U.25
USB_AJ_N: L1U.3 R25U.2 R33U.1 U4U.1
USB_AJ_P: L1U.4 R26U.2 R34U.1 U4U.2
USB_B_N: P3M.20 TP32M.1 U3U.5
USB_B_P: P3M.22 TP36M.1 U3U.4
USB_BJ_N: R33U.2 U3U.1 U4U.7
USB_BJ_P: R34U.2 U3U.2 U4U.6
USB_J_N: L1U.2 P4M.6 R25U.1 TP55M.1
USB_J_P: L1U.1 P4M.5 R26U.1 TP54M.1
USB_M_N: U1C.44 U3U.7
USB_M_P: U1C.45 U3U.6
USB_PD_N: R38U.2 TP3U.1 U1U.23
USB_PD_P: R37U.1 TP4U.1 U1U.22
USB_SBU1: P4M.9 R35U.2 R37U.2 R39U.1 R41U.2 TP69M.1
USB_SBU2: P4M.10 R36U.2 R38U.1 R40U.1 R42U.2 TP60M.1
VSys: C5E.1 C6E.1 C11B.1 C12E.2 C13B.2 C13E.2 C14E.2 C15E.2 D1E.A FB1E.1 Q1B.1 Q1B.2 Q1B.3 Q1C.S Q4E.5 Q4E.6 Q4E.7 Q4E.8 Q5E.1 Q5E.2 Q5E.3 R2C.2 R3B.1 TP1B.1 U2E.22
VSys1: C50E.1 C52E.1 C53E.1 C54E.1 C58E.1 FB1E.2 P3M.9 R46E.1 TP2E.1 TP15M.1 U4E.3
~{Amp_PDN}: C21C.1 ESD17C.2 FB17C.2 P2M.24 TP46M.1
~{Amp_SwFlt}: C20C.1 ESD16C.2 FB16C.2 P2M.12 TP30M.1
~{Amp_TwFlt}: C15C.1 ESD14C.2 FB14C.2 P2M.22 TP44M.1

Pads without a net: MK1M MK_B MKT; MK2M MK_B MKT; P2C 3 6 7 8 9; U1C 3 4 5 52 53 56; U1U 13 18; U2B 1; U2E 5

## Via types
v1: diameter 0.6, hole 0.3, Component Side to Solder Side, 1239 vias
v2: diameter 0.61, hole 0.305, Component Side to Solder Side, 110 vias
v3: diameter 0.7, hole 0.3, Component Side to Solder Side, 50 vias
v4: diameter 0.65, hole 0.3, Component Side to Solder Side, 2 vias
v5: diameter 0.55, hole 0.25, Component Side to Solder Side, 15 vias
v6: diameter 0.55, hole 0.3, Component Side to Solder Side, 1 via

## Routing (per net, layer and track width the routed paths; a pad name or vN(x,y) marks a point on that pad's centre or on a via; arc(x,y) is an arc through that point)
3V3_ADet: length 71.9
  Component Side w0.2: v1(26.19,4.62) 26.29,4.52 27.18,4.52 ; 50.19,7.04 v1(50.19,7.94) ; 24.88,14.45 25.54,13.78 ; C18D.1 27.64,4.93 27.64,6.45
  Component Side w0.4: 33.85,14.44 33.94,14.53 33.94,15.14 34.42,15.62 38.12,15.62 38.79,14.94 38.79,5.31 39.46,4.64 48.38,4.64 49.04,5.3 49.04,6.74 49.34,7.04 R9D.1
  Component Side w0.5: U2D.8 55.49,7.44 ; 62.02,4.94 61.69,4.62 60.49,4.62 60.44,4.67 ; 58.47,4.62 58.52,4.67 ; v1(32.89,13.48) 33.85,14.44 ; TP2D.1 62.25,4.91 62.05,5.11 62.05,8.15 61.76,8.44 FB1D.2
  Component Side w0.6: 60.44,4.67 55.74,4.67 55.52,4.89 55.52,4.99 ; 55.49,7.44 v1(55.52,7.47)
  Solder Side w0.5: v1(25.75,13.7) 25.78,13.7 ; 25.78,13.7 26.27,13.7 ; 25.78,13.7 25.83,13.65 25.86,13.65 ; 26.27,13.7 32.67,13.7 v1(32.89,13.48) ; 26.27,13.7 26.64,13.33 26.64,5.06 v1(26.19,4.62)
  Solder Side w0.6: v1(55.52,7.47) 50.67,7.47 v1(50.19,7.94)
3V3_MCU: length 126.5
  Component Side w0.25: v1(41.35,49.7) 41.35,49.11 41.37,49.09 R11C.1 ; v1(42.9,49.63) 42.9,49.13 42.68,48.9
  Component Side w0.3: v1(46.57,27.29) 46.5,27.22 R5C.1 ; v1(48.17,26.82) 47.76,27.22 R7C.1 47.55,27.28 48.82,28.55 48.98,28.55 C27C.1 49.24,28.81 50.12,28.81 v1(50.13,28.82) 50.13,29.57 48,31.7 U1C.32 48,32.3 ; U1C.19 41.5,31.3 v1(41.3,31.1) ; 52.93,43.42 53.69,44.18 53.69,45.56 54.9,46.78 54.95,46.78 55,46.83 55,46.88 56.36,48.24 56.36,48.67 56.58,48.88 P2C.1 ; v1(45.42,49.67) 45.48,49.61 45.48,49.07 R19C.1 ; 52.35,42.94 52.45,42.94 52.65,43.13 52.65,43.24
  Component Side w0.5: 35.16,44.46 35.31,44.31 35.59,44.31 35.6,44.31 36.19,44.31 36.8,43.7 40.4,43.7 ; 35.16,44.46 35.16,42.91 C23C.1 35.25,42.64 35.25,40.97 ; 35.16,44.46 C31C.1 ; v1(36.11,41.08) 36.13,41.1 36.5,41.1 36.63,41.24 v1(36.66,41.24) ; 35.34,42.51 35.95,41.9 38.3,41.9 ; R20U.1 49.88,23.36 49.09,23.36 48.5,23.94 48.5,26.48 48.17,26.81 v1(48.17,26.82) ; 52.65,43.24 51.5,43.24 51.43,43.17 v1(51.4,43.17) 51.09,43.17 50.44,42.52 50.44,42.02 50.34,41.92 ; 31.5,39.3 31.5,39.05 31.5,39.05 FB18C.2 ; R20C.2 50.42,51.78 51.02,51.18 51.02,50.72 v1(51.04,50.7) ; 35.83,41.03 35.31,41.03 35.16,40.88 C22C.1 ; R18C.1 44.37,49 44.37,49.48 44.52,49.62 v1(44.52,49.65) ; 34.94,40.63 33.61,39.3 31.5,39.3
  Component Side w0.8: C31C.1 35.16,44.56 35.25,44.65 R17C.1
  Mid Layer 2 w0.8: v1(45.42,49.67) 45.4,49.69 44.56,49.69 ; v1(44.52,49.65) 44.48,49.69 42.85,49.69 ; 45.42,49.75 45.44,49.77 46.72,49.77 47.68,48.82 50.37,48.82 51.04,49.49 v1(51.04,50.7) ; v1(41.35,49.7) 41.28,49.77 41.24,49.77 41.24,49.34 38.01,46.11 ; v1(36.11,41.08) 35.86,41.08 35.27,40.49 35.27,32.93 39.48,28.72 39.48,27.75 v1(40.65,26.58) 43.7,26.58 44.44,27.32 47.08,27.32 47.11,27.29 48.61,27.29 v1(50.13,28.82) 50.13,41.9 v1(51.4,43.17) ; 42.85,49.69 v1(42.9,49.63) ; 42.85,49.69 41.35,49.69 ; v1(38.31,46.22) 38.15,46.22 37.93,46 37.9,46 37.43,45.53 37.43,42.41 36.46,41.44
  Solder Side w0.3: v1(38.31,46.22) 38.26,46.28 37.77,46.28 37.5,46.55 R15C.1 ; 37.44,31.01 36.9,31.55 R34C.1 35.2,31.6 ; v1(41.3,31.1) 41.3,32.3
  Solder Side w0.5: 51.43,43.17 v1(51.4,43.17) 51.4,43.2 51.09,43.51 R35E.2 ; 51.17,28.97 51.04,28.84 50.15,28.84 v1(50.13,28.82)
  vias: v1(37.7,30.95)
3V3_STB: length 362.4
  Component Side w0.2: 39.04,62.89 38.76,62.89 U1U.32
  Component Side w0.3: 39.04,62.89 39.86,62.89 40.72,62.03 41.18,62.03 v1(41.2,62.05) 41.28,62.05 41.56,61.77 ; v1(65.34,26.52) 65.34,25.42 65.37,25.39 P3M.11 ; 41.2,62.2 41.28,62.2 ; C4U.2 42.14,61.54 41.82,61.87 ; 71.74,99.9 v1(71.74,100.61)
  Component Side w0.5: v1(57.07,10.32) 57.98,10.32
  Component Side w0.6: v1(28.6,36.35) v1(29.02,36.77)
  Component Side w0.8: 41.56,61.77 41.92,61.77
  Component Side w1: P5M.3 v1(56.3,129.35) v1(56.8,129.85)
  Mid Layer 2 w0.3: v1(58.07,100.22) 58.07,100.55 ; v1(58.07,100.22) 59.17,101.32 69.53,101.32 arc(70.31,100.8) 71.23,100.61 v1(71.74,100.61) ; v1(58.07,100.22) 58.07,97.3 56.02,95.25 v1(56,95.25)
  Mid Layer 2 w0.5: v1(32.68,41.68) 34.5,43.5 34.5,47.47 41.2,54.17 v1(41.2,62.05)
  Mid Layer 2 w1: 27.8,36.6 27.8,24.71 30.46,22.06 59.18,22.06 59.77,21.47 59.77,11.77 58.32,10.32 v1(57.07,10.32) ; 27.8,36.6 23,36.6 21.7,37.9 21.7,43.8 13.51,51.99 9.96,51.99 1.8,60.15 1.8,69.13 6.75,74.09 6.75,77.76 4.09,80.43 4.09,102.09 10.71,108.72 v2(30.67,108.72) ; 27.8,36.6 28.05,36.35 v1(28.6,36.35) v1(29.02,36.77) ; v2(31.37,108.62) 55.17,108.62 ; 55.17,108.62 55.79,108.62 57.62,106.79 57.62,101 58.07,100.55 ; 55.17,108.62 55.8,109.25 55.8,128.85 v1(56.8,129.85) ; v1(65.34,26.52) 64.96,26.52 v1(64.76,26.32) 60.27,21.83 ; 30.77,108.05 31.34,108.62
  Solder Side w0.3: 56,93.88 55.95,93.88 55.22,93.15 55.22,92.08 55.04,91.9 54.65,91.9 54.4,91.65 R12E.2 ; 55.74,95.31 54.4,96.65 52.9,96.65 51.9,95.65 U1E.6 ; v1(58.07,100.22) 58.08,100.2 58.08,99 U2B.5 ; C34B.2 59.4,98.85 58.08,98.85 ; v1(71.74,100.61) 71.76,100.61 72.56,99.81 TP26M.1 ; R35B.1 55.55,112.7 57.6,110.65 57.6,108.45 v1(57.2,108.05) ; R8B.1 56.17,93.87 56.17,95 ; R41E.2 6.92,105.52 6.92,106.09 7.72,106.89 8.26,106.89 11.98,110.62 20.02,110.62 20.22,110.42 20.22,109.29 20.24,109.27
  Solder Side w0.5: TP17M.1 64.85,25.51 65.35,26.02 65.35,26.51 v1(65.34,26.52) ; 32.66,41.66 32.68,41.64 32.68,40.83 29.04,37.18 29.04,36.79 29,36.75 29,36.72 28.63,36.35 v1(28.6,36.35)
  Solder Side w1: 56.6,129.35 56.86,129.61 57.46,129.61 TP47M.1 ; 30.69,108.29 v2(30.89,108.09) 30.89,108.49 30.69,108.69 ; 30.69,108.69 v2(30.67,108.72) 30.67,108.86 30.54,108.99 22.09,108.99 20.24,107.14 ; 30.69,108.69 30.69,108.97 ; 20.24,107.14 20.24,109.27 ; 20.24,107.14 20.24,105.65 19.66,105.07 19.49,105.07 19.04,104.62 L2E.2
